# KiCad board Backplane_v2.kicad_pcb (continued)
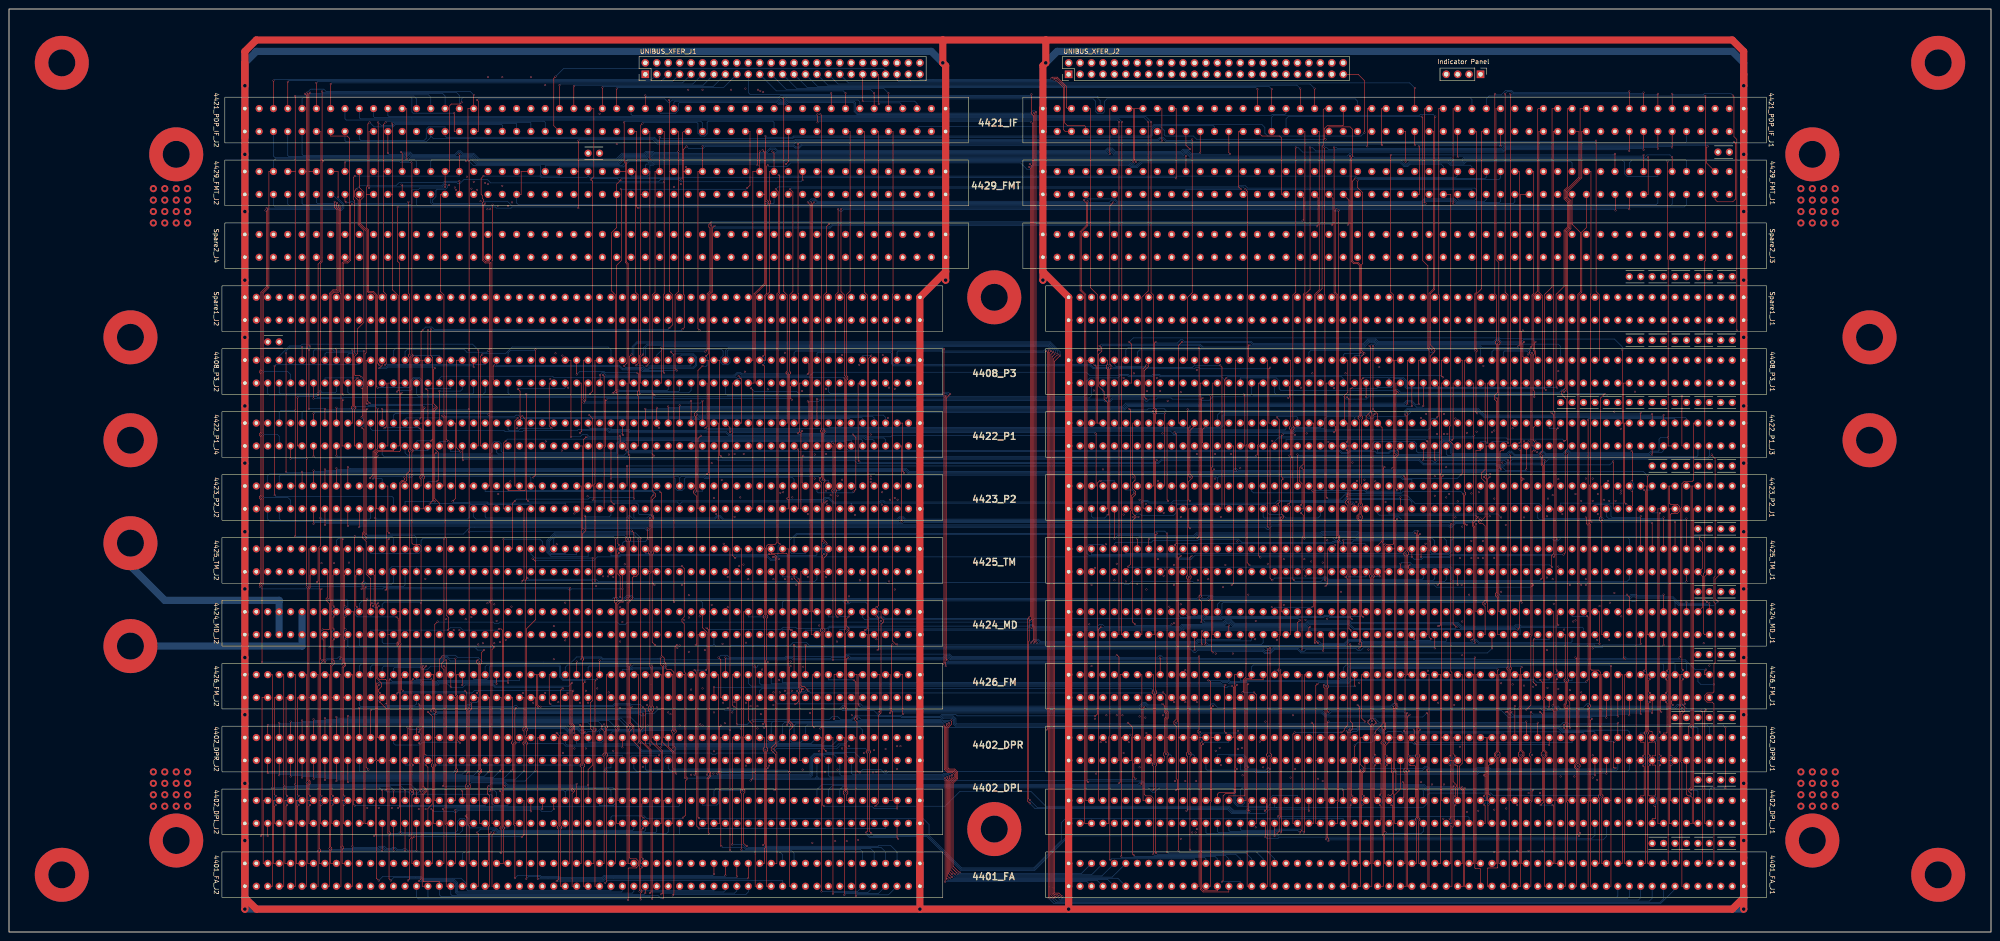
[diagram p0: board, top side]
## Routing (per net, layer and track width the routed paths; a pad name or vN(x,y) marks a point on that pad's centre or on a via; arc(x,y) is an arc through that point) (continued)
  F.SigTop w0.127: v2(227.49,64.26) 227.75,64.52 227.75,181.61 v2(227.49,181.86)
  B.Sig.Top w0.127: v2(227.49,64.26) 228,64.77 228.38,64.77 228.89,64.26 263.56,64.26 263.94,64.64 275.63,64.64 275.88,64.9 4424_MD_J1.88 ; v2(227.49,181.86) 227.24,181.61 188.25,181.61 187.62,182.25 187.62,184.02 187.36,184.28 173.07,184.28 172.57,183.77 170.85,183.77 170.34,184.28 148.88,184.28 148.63,184.02 148.63,182.5 147.99,181.86 144.56,181.86 144.44,181.99 4421_PDP_IF_J2.41
DMA10*: length 259.5
  F.SigTop w0.127: v2(226.86,64.26) 227.49,64.9 227.49,181.23 226.99,181.74 v2(226.99,186.06) ; v2(141.26,185.8) 4421_PDP_IF_J2.43
  B.Sig.Top w0.127: 4424_MD_J1.90 273.34,65.02 273.21,64.9 263.81,64.9 263.43,64.52 229.02,64.52 228.51,65.02 227.62,65.02 v2(226.86,64.26) ; v2(141.26,185.8) 141.51,185.55 171.11,185.55 171.36,185.8 226.73,185.8 v2(226.99,186.06)
DMA11*: length 251.1
  F.SigTop w0.127: v2(179.49,181.61) v2(179.49,179.83) ; v2(270.8,68.07) 4424_MD_J1.92 ; v2(226.99,179.83) 227.24,179.58 227.24,67.82 v2(226.99,67.56)
  B.Sig.Top w0.127: v2(226.99,67.56) 227.24,67.31 260.13,67.31 260.64,67.82 270.55,67.82 v2(270.8,68.07) ; v2(179.49,179.83) 179.74,180.09 226.73,180.09 v2(226.99,179.83) ; v2(179.49,181.61) 179.23,181.36 138.34,181.36 138.08,181.61 138.08,182.88
DMA12*: length 287.2
  F.SigTop w0.127: v2(253.53,179.96) 253.53,141.99 254.04,141.48 254.04,116.33 254.54,115.82 254.54,115.32 254.29,115.06 254.29,66.04 4424_MD_J1.106
  B.Sig.Top w0.127: 4421_PDP_IF_J2.79 84.11,181.36 84.36,181.1 252.38,181.1 v2(253.53,179.96)
DMA13*: length 289.7
  F.SigTop w0.127: 4424_MD_J1.108 251.5,66.04 251.5,140.97 252.89,142.37 v2(252.89,179.96)
  B.Sig.Top w0.127: 4421_PDP_IF_J2.81 80.94,181.1 81.19,180.85 252,180.85 v2(252.89,179.96)
DMA14*: length 286.7
  F.SigTop w0.127: v2(247.05,179.96) 247.05,141.61 246.92,141.48 246.92,66.04 4424_MD_J1.110
  B.Sig.Top w0.127: 4421_PDP_IF_J2.83 77.76,180.85 78.01,180.59 246.42,180.59 v2(247.05,179.96)
DMA15*: length 289.3
  F.SigTop w0.127: v2(246.42,179.96) 246.42,66.04 4424_MD_J1.112
  B.Sig.Top w0.127: 4421_PDP_IF_J2.85 74.59,180.59 74.84,180.34 246.04,180.34 v2(246.42,179.96)
DMAIND: length 158.8
  B.Sig.In w0.127: 4421_PDP_IF_J2.18 182.54,176.78 319.06,176.78 319.82,177.55 319.82,188.09 318.81,189.1 318.17,189.1 317.79,189.48 317.79,191.39 318.17,191.77 321.35,191.77 321.6,191.52 J39.3
DP2A1: length 220.8
  F.SigTop w0.127: 4402_DPL_J1.59 312.2,29.97 312.2,36.83 312.07,36.96 311.06,36.96 v2(310.93,37.08) ; v2(230.29,44.83) 230.54,45.09 230.54,128.78 v2(230.29,129.03) ; v2(311.95,44.96) 311.95,43.69 4402_DPR_J1.59 310.68,42.42 310.68,39.37 v2(310.93,39.12)
  B.Sig.Top w0.127: v2(310.93,37.08) 310.42,37.59 310.42,38.61 v2(310.93,39.12) ; 4408_P3_J2.5 197.14,128.78 197.39,129.03 207.05,129.03 207.3,128.78 230.03,128.78 v2(230.29,129.03) ; v2(311.95,44.96) 311.69,45.21 305.73,45.21 305.09,44.58 304.58,44.58 303.95,45.21 299.5,45.21 299.25,44.96 298.11,44.96 297.85,44.7 297.6,44.7 297.09,45.21 230.67,45.21 v2(230.29,44.83)
DP2A2E: length 169.6
  F.SigTop w0.127: v2(309.41,33.27) 309.66,33.02 309.66,29.97 4402_DPL_J1.61 ; v2(239.56,33.27) 239.3,33.53 239.3,127 4408_P3_J1.115
  B.Sig.Top w0.127: v2(309.41,33.27) 309.15,33.02 252.13,33.02 251.62,33.53 239.81,33.53 v2(239.56,33.27)
DP2A2M: length 211.9
  F.SigTop w0.127: 4402_DPR_J1.63 306.36,42.16 305.6,41.4 305.6,39.37 v2(305.85,39.12) ; v2(305.85,37.08) 305.6,36.83 305.6,29.97 4402_DPL_J1.63
  F.Sig.In w0.127: v2(197.9,41.27) 198.16,41.53 198.16,48.01 197.9,48.26 197.9,48.51 198.16,48.77 198.16,90.42 197.65,90.93 197.65,91.31 198.16,91.82 198.16,121.92 4408_P3_J2.6
  B.Sig.In w0.127: v2(197.9,41.27) 198.16,41.53 241.21,41.53 241.46,41.27 264.58,41.27 264.83,41.02 268.01,41.02 268.89,40.13 294.8,40.13 295.18,39.75 295.18,37.34 295.69,36.83 301.41,36.83 301.66,36.58 305.34,36.58 v2(305.85,37.08)
  B.Sig.Top w0.127: 4402_DPR_J1.63 4402_DPR_J1.61 ; v2(305.85,39.12) 305.34,38.61 305.34,37.59 v2(305.85,37.08)
DP2DP: length 143.4
  F.SigTop w0.127: v2(245.4,87.38) 4423_P2_J1.112 ; v2(312.71,25.02) v2(312.71,39.12) v2(312.71,89.03)
  B.Sig.Top w0.127: v2(312.71,89.03) 312.58,89.15 312.07,89.15 311.57,88.65 299.76,88.65 299.5,88.9 291.37,88.9 291.12,88.65 263.56,88.65 262.93,88.01 246.04,88.01 v2(245.4,87.38) ; v2(312.71,39.12) 311.44,39.12 4402_DPR_J1.60 ; v2(312.71,25.02) 311.44,25.02 4402_DPL_J1.60
DP2M1: length 242.7
  F.SigTop w0.127: v2(306.87,28.19) 307,28.19 307.12,28.07 307.12,24.89 4402_DPL_J1.64 ; v2(306.23,30.35) 306.74,30.35 307.12,30.73 307.12,35.31 306.87,35.56 306.87,37.59 4402_DPR_J1.64
  F.Sig.In w0.127: v2(305.6,95.5) 305.34,95.25 305.34,86.87 305.85,86.36 305.85,86.11 305.34,85.6 305.34,42.42 305.6,42.16 305.6,41.91 305.34,41.66 305.34,38.1 4402_DPR_J1.64
  B.Sig.In w0.127: 4423_P2_J2.50 141.26,95.12 141.64,95.5 180.63,95.5 181.39,96.27 181.9,96.27 182.28,95.88 189.14,95.88 190.15,96.9 296.07,96.9 296.71,96.27 304.84,96.27 v2(305.6,95.5)
  B.Sig.Top w0.127: v2(306.87,28.19) 307.38,28.7 307.38,29.72 306.74,30.35 v2(306.23,30.35)
DP2M2: length 243.6
  F.SigTop w0.127: v2(308.14,91.69) 307.88,91.44 307.88,50.93 308.14,50.67 308.14,49.78 307.88,49.53 307.88,38.1 4402_DPR_J1.62 308.9,31.75 307.63,30.48 307.63,24.13 4402_DPL_J1.62
  B.Sig.Top w0.127: v2(308.14,91.69) 307.88,91.44 198.92,91.44 198.41,91.95 197.77,91.95 197.27,91.44 158.53,91.44 157.77,92.2 157.26,92.2 156.75,91.69 143.17,91.69 142.4,92.46 142.15,92.46 141.64,91.95 138.85,91.95 138.72,92.08 4423_P2_J2.52
DPA2PNL*: length 261.2
  F.SigTop w0.127: 4423_P2_J1.22 360.46,94.74 360.46,97.79 v2(360.21,98.04) ; v2(360.21,100.08) 360.46,100.33 360.46,106.55 v2(360.21,106.81) ; 4408_P3_J2.54 137.2,121.92 137.2,107.31 v2(136.94,107.06)
  B.Sig.Top w0.127: v2(360.21,106.81) 359.97,106.56 346.63,106.56 346.13,107.06 345.73,107.06 344.97,106.3 341.16,106.3 340.65,106.81 340.14,106.81 339.38,106.04 334.3,106.04 333.54,106.81 333.03,106.81 332.52,106.3 320.46,106.3 320.33,106.43 320.33,108.58 319.69,109.22 318.43,109.22 317.79,108.58 317.79,106.17 317.66,106.04 308.52,106.04 307.88,106.68 306.74,106.68 306.36,106.3 303.69,106.3 303.31,106.68 297.72,106.68 297.34,106.3 295.82,106.3 295.44,106.68 137.07,106.68 136.94,106.81 v2(136.94,107.06) ; v2(360.21,100.08) 360.72,99.57 360.72,98.55 v2(360.21,98.04)
DPALD*: length 211.3
  F.Sig.In w0.127: v2(155.99,104.14) 155.74,104.39 155.74,107.19 4422_P1_J4.38
  B.Sig.In w0.127: v2(155.99,104.14) 156.37,103.76 281.98,103.76 283.25,102.49 329.35,102.49 330.11,101.73 359.19,101.73 359.7,101.22 4423_P2_J1.21
DPEBS02*: length 281.9
  F.SigTop w0.127: 307.63,85.09 307.63,105.79 v2(307.88,106.04) 307.63,106.3 307.63,127 4408_P3_J1.61 ; 307.63,85.09 4425_TM_J1.63 ; 307.63,85.09 307.63,50.8 307.88,50.55 307.88,49.91 307.63,49.66 307.63,36.19 307.88,35.94 v2(307.88,31.5) ; v2(368.21,171.07) 368.21,149.48 368.34,149.35 v2(368.34,109.86) 368.34,107.95 4422_P1_J3.14 ; v2(286.04,106.04) 4423_P2_J1.79
  B.Sig.Top w0.127: v2(286.04,106.04) 286.29,105.79 307.63,105.79 v2(307.88,106.04) 308.14,105.79 317.79,105.79 318.04,106.04 318.04,108.46 318.55,108.97 319.57,108.97 320.08,108.46 320.08,106.3 320.33,106.04 332.65,106.04 333.16,106.55 333.41,106.55 334.17,105.79 339.51,105.79 340.27,106.55 340.52,106.55 341.03,106.04 345.1,106.04 345.86,106.81 346.03,106.81 346.54,106.3 364.02,106.3 364.53,106.81 366.18,106.81 366.3,106.93 366.3,109.47 366.68,109.86 v2(368.34,109.86) ; v2(368.21,171.07) 367.96,171.32 360.21,171.32 359.7,170.81 4429_FMT_J1.17 ; 4402_DPL_J1.57 313.98,31.37 313.6,31.75 308.01,31.75 307.88,31.62 v2(307.88,31.5)
DPEBS03*: length 285.8
  F.SigTop w0.127: 305.34,80.01 305.34,85.6 305.85,86.11 307.25,86.11 307.38,86.23 307.38,102.74 v2(307.12,103) 307.38,103.25 307.38,127 ; 305.34,80.01 305.34,46.61 305.6,46.36 305.6,45.09 305.34,44.83 305.34,42.42 305.6,42.16 305.6,41.91 305.34,41.66 305.34,22.35 v2(305.6,22.1) ; 305.34,80.01 4425_TM_J1.64 ; 4429_FMT_J1.19 v2(356.52,172.85) ; 307.38,127 307.38,141.48 306.74,142.11 v2(306.74,172.59) ; 307.38,127 4408_P3_J1.63 ; v2(336.84,102.74) 4422_P1_J3.40 ; 4423_P2_J1.80 287.31,93.98 287.31,102.74 v2(287.06,103)
  B.Sig.Top w0.127: v2(356.52,172.85) 356.27,172.59 v2(306.74,172.59) ; 4402_DPL_J1.58 313.98,22.35 313.47,21.84 305.85,21.84 v2(305.6,22.1) ; v2(336.84,102.74) 336.59,102.49 332.27,102.49 331.51,103.25 331,103.25 330.49,102.74 307.38,102.74 v2(307.12,103) 306.87,102.74 287.31,102.74 v2(287.06,103)
DPEBS04*: length 285.8
  F.SigTop w0.127: 4429_FMT_J1.31 338.49,168.91 338.49,141.86 338.11,141.48 338.11,130.18 v2(337.86,129.92) ; 4425_TM_J1.65 303.82,85.85 304.84,86.87 304.84,112.01 4422_P1_J3.65 303.82,115.06 v2(302.8,116.08) 302.8,127 ; 261.66,99.06 v2(261.66,116.08) ; 261.66,99.06 261.66,79.25 261.4,78.99 261.4,78.61 261.66,78.36 261.66,40 261.4,39.75 261.4,39.24 261.66,38.99 261.66,27.18 v2(261.4,26.92) ; 261.66,99.06 4423_P2_J1.99 ; v2(288.58,26.92) 4402_DPL_J1.77 ; 302.8,127 v2(302.8,130.18) ; 302.8,127 4408_P3_J1.65
  B.Sig.Top w0.127: v2(288.58,26.92) 288.58,27.18 288.45,27.3 279.82,27.3 278.8,26.29 271.44,26.29 270.55,27.18 261.66,27.18 v2(261.4,26.92) ; v2(302.8,116.08) 302.55,115.82 261.91,115.82 v2(261.66,116.08) ; v2(302.8,130.18) 303.06,129.92 326.55,129.92 326.93,129.54 337.48,129.54 v2(337.86,129.92)
DPEBS05*: length 280.6
  F.SigTop w0.127: 302.3,115.57 301.28,114.55 4422_P1_J3.67 ; 302.3,115.57 302.55,115.32 v2(302.55,79.12) v2(302.55,46.86) ; 302.3,115.57 302.3,127 ; 302.3,127 4408_P3_J1.67 ; 302.3,127 302.3,129.92 v2(302.04,130.18) ; v2(335.06,130.05) 335.32,130.3 335.32,168.91 4429_FMT_J1.33 ; v2(304.33,78.99) 304.33,79.12 303.82,79.63 4425_TM_J1.66 ; 4423_P2_J1.100 259.37,93.98 259.37,46.74 v2(259.12,46.48) ; 4402_DPL_J1.78 289.6,24.13 289.6,46.1 v2(289.21,46.48)
  B.Sig.Top w0.127: v2(304.33,78.99) 302.68,78.99 v2(302.55,79.12) ; v2(302.55,46.86) 301.92,46.23 289.47,46.23 v2(289.21,46.48) 288.96,46.23 259.37,46.23 v2(259.12,46.48) ; v2(302.04,130.18) 302.43,130.57 303.05,130.57 303.44,130.18 326.68,130.18 327.06,129.79 334.81,129.79 v2(335.06,130.05)
DPEBS06*: length 294.6
  F.SigTop w0.127: 259.12,99.06 259.12,110.62 v2(258.74,111) ; 259.12,99.06 4423_P2_J1.101 ; 259.12,99.06 259.12,86.23 v2(258.86,85.98) 259.12,85.73 259.12,47.24 258.61,46.74 258.61,46.23 259.12,45.72 259.12,34.04 259.37,33.78 259.37,31.75 v2(259.12,31.5) ; v2(299.38,166.88) 299.38,165.35 300.52,164.21 300.52,148.46 300.26,148.21 300.26,129.16 v2(300.9,128.52) 300.01,127.63 v2(300.01,114.3)
  B.Sig.Top w0.127: v2(259.12,31.5) 259.37,31.75 271.69,31.75 271.94,31.5 271.94,28.7 272.7,27.94 279.56,27.94 279.94,28.32 279.94,29.72 280.58,30.35 286.04,30.35 4402_DPL_J1.79 ; 298.74,114.3 298.49,114.55 292.64,114.55 292.14,114.05 292.14,112.01 291.88,111.76 285.4,111.76 284.9,111.25 258.99,111.25 v2(258.74,111) ; 298.74,114.3 4422_P1_J3.69 ; 298.74,114.3 298.99,114.55 299.76,114.55 v2(300.01,114.3) ; 4408_P3_J1.69 298.74,128.02 300.39,128.02 v2(300.9,128.52) ; 4425_TM_J1.67 301.28,85.98 301.03,86.23 295.56,86.23 295.31,86.49 294.17,86.49 293.91,86.23 259.12,86.23 v2(258.86,85.98) ; v2(299.38,166.88) 299.63,167.13 330.74,167.13 331.12,167.51 4429_FMT_J1.35
DPEBS07*: length 242.4
  F.SigTop w0.127: v2(295.69,44.32) 295.95,44.32 296.45,44.83 296.45,45.21 297.22,45.97 297.22,78.36 v2(296.71,78.87) 297.22,79.38 297.22,94.74 296.71,95.25 296.71,95.63 297.22,96.14 297.22,96.65 ; 297.22,96.65 v2(296.96,96.9) 296.96,97.03 297.22,97.28 ; 297.22,96.65 297.22,97.28 ; v2(296.96,108.84) 297.22,109.09 297.22,113.03 4422_P1_J3.71 296.45,113.28 296.45,119.13 297.22,119.89 297.22,127 4408_P3_J1.71 ; 4402_DPL_J1.80 285.02,24.13 285.02,43.94 v2(285.4,44.32) ; v2(298.87,167.39) 298.23,166.75 298.23,149.1 298.61,148.72 299.5,148.72 300.01,148.21 300.01,128.78 v2(300.26,128.52) ; 297.22,97.28 297.22,106.81 v2(296.96,107.06)
  B.Sig.Top w0.127: v2(298.87,167.39) 327.7,167.39 327.95,167.64 4429_FMT_J1.37 ; v2(296.96,96.9) 296.96,96.65 296.2,95.88 281.72,95.88 281.09,95.25 258.35,95.25 258.1,95 4423_P2_J1.102 ; v2(296.71,78.87) 301.15,78.87 301.28,78.99 4425_TM_J1.68 ; 4408_P3_J1.71 296.2,128.14 296.58,128.52 v2(300.26,128.52) ; v2(296.96,108.84) 297.22,108.58 297.22,107.31 v2(296.96,107.06) ; v2(285.4,44.32) v2(295.69,44.32)
DPEBS08*: length 316.3
  F.Sig.In w0.127: 4402_DPL_J2.9 191.04,29.21 191.04,39.62 191.3,39.88 191.3,40.13 191.04,40.39 191.04,99.69 v2(191.3,99.95) ; v2(255.05,100.2) 254.54,100.71 254.54,104.27 254.29,104.52 254.29,107.95 ; 254.29,107.95 4422_P1_J3.104 ; 254.29,107.95 254.29,115.06 254.54,115.32 254.54,122.81 v2(254.8,123.06) ; v2(299.25,100.2) 299.76,99.69 299.76,95.25 299.5,95 299.5,94.62 299.76,94.36 299.76,92.58 299.5,92.33 299.5,91.95 299.76,91.69 299.76,85.09 4425_TM_J1.69 ; 4429_FMT_J1.57 297.72,168.91 297.72,156.97 297.22,156.46 297.22,124.59 v2(296.71,124.08)
  B.Sig.In w0.127: v2(296.71,124.08) 296.2,123.57 289.21,123.57 289.09,123.7 270.17,123.7 269.53,123.06 258.1,123.06 ; 258.1,123.06 4408_P3_J1.102 ; 258.1,123.06 v2(254.8,123.06) ; v2(299.25,100.2) 267.62,100.2 267.37,100.46 255.31,100.46 v2(255.05,100.2) 254.8,100.46 242.99,100.46 242.73,100.71 241.97,100.71 241.59,100.33 197.39,100.33 197.14,100.08 4423_P2_J2.5 197.14,98.04 194.09,98.04 193.58,98.55 193.58,99.82 193.2,100.2 191.55,100.2 v2(191.3,99.95)
DPEBS09*: length 315.2
  F.Sig.In w0.127: 252,107.95 252,95.5 v2(252.38,95.12) ; 252,107.95 4422_P1_J3.106 ; 252,107.95 252,119.51 v2(252.64,120.14) ; v2(298.23,95) 297.72,94.49 297.72,80.01 4425_TM_J1.70 ; 293.02,168.91 294.17,168.91 294.17,160.27 294.68,159.77 294.68,121.28 v2(294.17,120.78) ; v2(193.77,94.93) 193.58,94.74 193.58,69.85 194.09,69.34 194.09,68.83 193.58,68.33 193.58,48.64 193.33,48.39 193.33,24.13 4402_DPL_J2.10 ; v2(255.56,120.14) 4408_P3_J1.104
  B.Sig.In w0.127: v2(252.64,120.14) 252.89,120.4 255.31,120.4 v2(255.56,120.14) 255.81,120.4 293.79,120.4 v2(294.17,120.78) ; v2(298.23,95) 296.96,95 296.07,95.88 281.72,95.88 280.96,95.12 v2(252.38,95.12) 197.14,95.12 ; v2(193.77,94.93) 193.96,95.12 197.14,95.12 ; 197.14,95.12 4423_P2_J2.6
DPEBS10*: length 281
  F.Sig.In w0.127: 4429_FMT_J1.61 288.83,168.91 288.83,149.22 289.6,148.46 289.6,124.33 v2(289.34,124.08) ; 4425_TM_J1.93 267.24,85.09 267.24,100.2 v2(267.75,100.71) ; v2(249.72,124.08) 249.46,123.82 249.46,107.95 ; v2(191.3,100.58) 190.79,100.08 190.79,40.64 190.28,40.13 190.28,39.88 190.54,39.62 190.54,29.21 4402_DPL_J2.11 ; 249.46,107.95 4422_P1_J3.108 ; 249.46,107.95 v2(249.46,100.97)
  B.Sig.In w0.127: v2(289.34,124.08) 253.27,124.08 253.02,123.82 ; v2(249.72,124.08) 252.77,124.08 253.02,123.82 ; 253.02,123.82 4408_P3_J1.106 ; 194.6,100.33 4423_P2_J2.7 ; 194.6,100.33 194.85,100.58 241.46,100.58 241.84,100.97 242.86,100.97 243.11,100.71 249.21,100.71 v2(249.46,100.97) 249.72,100.71 261.02,100.71 261.78,101.47 266.99,101.47 v2(267.75,100.71) ; 194.6,100.33 194.35,100.58 v2(191.3,100.58)
DPEBS11*: length 290.1
  F.Sig.In w0.127: 246.92,107.95 246.92,93.22 v2(247.43,92.71) ; 246.92,107.95 246.92,122.56 v2(247.43,123.06) ; 246.92,107.95 4422_P1_J3.110 ; 4402_DPL_J2.12 188.5,24.13 188.5,35.18 188.25,35.43 188.25,46.48 188.76,46.99 188.76,47.5 188.5,47.75 188.5,49.78 188.25,50.04 188.25,92.2 v2(187.81,92.65) ; 4425_TM_J1.94 269.28,80.01 269.28,91.95 v2(269.02,92.2) ; 4429_FMT_J1.63 287.69,168.91 287.69,149.35 287.06,148.72 287.06,121.16 v2(286.8,120.9)
  B.Sig.In w0.127: 194.6,92.71 187.87,92.71 v2(187.81,92.65) ; 194.6,92.71 243.24,92.71 243.62,93.09 244.76,93.09 245.15,92.71 v2(247.43,92.71) 247.69,92.96 250.99,92.96 251.24,92.71 255.69,92.71 255.94,92.46 259.37,92.46 259.62,92.71 260.26,92.71 260.51,92.46 268.77,92.46 v2(269.02,92.2) ; 194.6,92.71 4423_P2_J2.8 ; v2(247.43,123.06) 250.48,123.06 4408_P3_J1.108 250.48,120.65 286.55,120.65 v2(286.8,120.9)
DPMBS00*: length 327.2
  F.Sig.In w0.127: v2(272.83,44.7) 272.32,45.21 272.32,53.98 273.09,54.74 273.09,55.12 272.32,55.88 272.32,77.22 272.07,77.47 272.07,86.11 v2(272.7,86.74) 272.07,87.38 272.07,101.35 272.83,102.11 272.83,102.62 272.32,103.12 272.32,167.26 4429_FMT_J1.71 ; 170.22,113.03 170.22,127 4408_P3_J2.25 ; 170.22,113.03 170.22,99.06 ; 170.22,113.03 4422_P1_J4.27 ; 170.22,99.06 4423_P2_J2.27 ; 170.22,99.06 170.22,83.57 v2(170.98,82.8)
  B.Sig.In w0.127: 4425_TM_J1.95 265.72,85.85 266.36,86.49 ; 266.36,86.49 272.45,86.49 v2(272.7,86.74) ; 266.36,86.49 256.96,86.49 256.58,86.11 256.58,84.33 255.69,83.44 171.61,83.44 v2(170.98,82.8) ; 4402_DPR_J1.55 316.52,44.45 311.31,44.45 310.55,45.21 309.28,45.21 308.77,44.7 304.07,44.7 303.82,44.96 302.93,44.96 302.68,44.7 297.6,44.7 297.22,45.09 284.9,45.09 284.26,44.45 273.09,44.45 v2(272.83,44.7)
DPMBS01*: length 379.9
  F.Sig.In w0.127: v2(168.69,36.96) 168.18,37.47 168.18,39.88 168.44,40.13 168.44,40.77 168.18,41.02 168.18,59.44 167.93,59.69 167.93,60.2 168.18,60.45 168.18,69.6 168.44,69.85 168.44,70.23 168.18,70.49 168.18,93.98 ; 168.18,93.98 168.18,107.95 ; 168.18,93.98 4423_P2_J2.28 ; v2(269.02,37.08) 269.53,37.59 269.53,55.12 269.78,55.37 269.78,76.2 270.04,76.45 270.04,77.22 269.78,77.47 269.78,81.28 v2(270.04,81.53) 269.78,81.79 269.78,167.89 4429_FMT_J1.73 ; 168.18,107.95 4422_P1_J4.28 ; 168.18,107.95 168.18,120.27 v2(168.44,120.52)
  B.Sig.In w0.127: v2(270.04,81.53) 266.23,81.53 265.72,81.03 4425_TM_J1.96 ; 4408_P3_J2.26 171.74,120.52 v2(168.44,120.52) ; v2(168.69,36.96) 168.82,37.08 253.78,37.08 254.04,36.83 254.54,36.83 254.8,37.08 v2(269.02,37.08) 274.48,37.08 274.74,37.34 275.25,37.34 275.5,37.08 285.53,37.08 286.04,36.58 300.9,36.58 301.15,36.32 305.47,36.32 305.73,36.58 316.27,36.58 316.52,36.83 4402_DPR_J1.56
DPMBS02*: length 374.2
  F.Sig.In w0.127: v2(267.75,106.17) 267.24,106.68 267.24,118.62 267.5,118.87 267.5,119.63 266.99,120.14 266.99,148.72 266.36,149.35 266.36,167.64 4429_FMT_J1.75 ; 264.45,85.09 264.45,87.5 264.2,87.76 264.2,105.66 v2(263.69,106.17) ; 264.45,85.09 4425_TM_J1.97 ; 264.45,85.09 264.45,75.18 265.21,74.42 265.21,73.98 264.7,73.47 264.7,69.6 265.21,69.09 265.21,68.33 264.2,67.31 264.2,66.93 264.45,66.67 264.45,64.13 264.32,64.01 264.32,63.63 264.96,62.99 264.96,60.83 264.45,60.33 v2(264.45,44.45) ; 165.14,99.06 165.14,58.8 165.64,58.29 165.64,51.31 166.66,50.29 166.66,49.91 165.9,49.15 165.9,45.47 v2(166.15,45.21) ; 165.14,99.06 165.14,113.03 4422_P1_J4.29 167.68,113.03 167.68,125.6 167.93,125.86 167.93,127 4408_P3_J2.27 ; 165.14,99.06 4423_P2_J2.29
  B.Sig.In w0.127: v2(263.69,106.17) v2(267.75,106.17) ; 4402_DPR_J1.57 313.98,41.78 313.73,41.53 304.84,41.53 304.45,41.91 297.72,41.91 297.22,42.42 297.22,43.69 296.07,44.83 285.02,44.83 284.39,44.2 272.32,44.2 271.82,44.7 270.04,44.7 269.91,44.58 264.58,44.58 v2(264.45,44.45) 264.32,44.58 253.27,44.58 253.02,44.83 230.92,44.83 230.41,44.32 204.63,44.32 204.25,44.7 166.66,44.7 v2(166.15,45.21)
DPMBS03*: length 351.3
  F.Sig.In w0.127: 167.68,93.98 167.68,70.49 167.42,70.23 167.42,69.85 167.68,69.6 167.68,58.8 v2(167.17,58.29) ; 167.68,93.98 167.68,107.95 ; 167.68,93.98 4423_P2_J2.30 ; 261.66,80.01 4425_TM_J1.98 ; 261.66,80.01 261.66,79.25 261.4,78.99 261.4,78.61 261.66,78.36 261.66,58.67 v2(261.15,58.17) ; 261.66,80.01 261.66,112.52 262.16,113.03 262.16,141.48 263.43,142.75 263.43,167.89 4429_FMT_J1.77 ; 167.68,107.95 4422_P1_J4.30 ; 167.68,107.95 167.68,112.65 167.93,112.9 167.93,121.16 168.69,121.92 4408_P3_J2.28 ; 4402_DPR_J1.58 315.25,38.1 315.25,57.78 v2(315,58.04)
  B.Sig.In w0.127: v2(167.17,58.29) 167.3,58.42 207.17,58.42 207.43,58.17 208.51,58.17 209.01,58.67 239.81,58.67 240.07,58.42 240.83,58.42 241.08,58.67 260.64,58.67 v2(261.15,58.17) 261.66,58.67 314.36,58.67 v2(315,58.04)
DPMBS04*: length 361.2
  F.Sig.In w0.127: 160.56,99.06 160.56,105.66 v2(161.07,106.17) ; 160.56,99.06 4423_P2_J2.33 ; 160.56,99.06 160.56,92.71 v2(161.07,92.2) ; 4425_TM_J1.99 259.88,85.85 259.88,91.95 v2(260.13,92.2) ; 122.46,113.03 4422_P1_J4.63 ; 122.46,113.03 122.46,107.19 v2(122.72,106.93) ; 122.46,113.03 122.46,127.63 v2(122.85,128.02) ; 4429_FMT_J1.87 249.72,168.91 249.97,168.66 249.97,141.99 249.46,141.48 249.46,124.46 249.21,124.21 249.21,101.35 248.96,101.09 248.96,100.46 249.21,100.2 249.21,92.96 249.46,92.71 v2(249.46,92.2) 249.46,43.56 249.21,43.31 249.21,42.8 v2(248.57,42.16)
  B.Sig.In w0.127: 4402_DPR_J1.77 288.58,41.66 288.33,41.4 274.86,41.4 274.36,41.91 265.97,41.91 265.34,41.27 264.96,41.27 264.07,42.16 v2(248.57,42.16) ; v2(161.07,92.2) 161.58,91.69 249.46,91.69 ; 249.46,91.69 v2(249.46,92.2) ; 249.46,91.69 250.86,91.69 251.37,92.2 v2(260.13,92.2) ; v2(161.07,106.17) 160.69,106.55 137.58,106.55 137.2,106.17 123.48,106.17 v2(122.72,106.93) ; 4408_P3_J2.67 118.4,128.02 v2(122.85,128.02)
DPMBS05*: length 362.6
  F.Sig.In w0.127: v2(163.1,106.17) 162.85,105.92 162.85,93.98 ; v2(124.12,120.9) 124.5,120.52 124.5,110.49 124.24,110.24 124.24,109.86 124.5,109.6 124.5,107.95 4422_P1_J4.64 ; v2(163.04,81.6) 162.85,81.79 162.85,93.98 ; v2(247.43,39.75) 247.31,39.75 246.67,40.39 246.67,81.53 246.42,81.79 v2(245.91,81.79) 246.54,81.79 246.67,81.91 246.67,122.68 246.92,122.94 246.92,141.48 247.05,141.61 247.05,168.66 246.8,168.91 4429_FMT_J1.89 ; 162.85,93.98 4423_P2_J2.34
  B.Sig.In w0.127: 4402_DPR_J1.78 288.58,39.12 288.07,39.62 268.64,39.62 268.51,39.75 262.42,39.75 262.16,40 261.66,40 261.4,39.75 257.34,39.75 257.08,40 256.58,40 256.32,39.75 v2(247.43,39.75) ; 245.91,81.66 245.78,81.66 245.53,81.41 163.23,81.41 v2(163.04,81.6) ; 245.91,81.66 v2(245.91,81.79) ; 245.91,81.66 246.29,82.04 248.57,82.04 249.34,81.28 258.23,81.28 258.48,81.03 260.64,81.03 4425_TM_J1.100 ; v2(163.1,106.17) 162.47,106.81 137.45,106.81 137.07,106.43 125,106.43 4422_P1_J4.64 ; 4408_P3_J2.68 118.4,120.9 v2(124.12,120.9)
DPMBS06*: length 361.9
  F.Sig.In w0.127: v2(243.62,48.13) 243.88,48.39 243.88,85.73 v2(243.5,86.11) 243.88,86.49 243.88,91.31 243.37,91.82 243.37,92.84 244.13,93.6 244.13,118.75 243.88,119 243.88,124.97 243.62,125.22 243.62,125.86 243.88,126.11 243.88,141.48 243.75,141.61 243.75,168.53 243.37,168.91 4429_FMT_J1.91 ; 121.96,113.03 121.96,127.89 v2(121.32,128.52) ; 121.96,113.03 122.21,112.78 122.21,86.74 v2(121.57,86.11) ; 121.96,113.03 4422_P1_J4.65 ; v2(285.02,48.13) 284.77,47.88 284.77,43.18 4402_DPR_J1.79 ; v2(158.66,86.23) 158.66,91.82 158.02,92.46 158.02,99.06 4423_P2_J2.35
  B.Sig.In w0.127: v2(121.57,86.11) 121.96,86.49 135.67,86.49 135.93,86.23 v2(158.66,86.23) 159.42,87 181.65,87 182.54,86.11 186.98,86.11 ; v2(243.5,86.11) 186.98,86.11 ; 186.98,86.11 4425_TM_J2.13 ; v2(121.32,128.52) 116.24,128.52 115.86,128.14 4408_P3_J2.69 ; v2(243.62,48.13) 244.13,47.62 247.31,47.62 247.81,48.13 250.1,48.13 251,47.23 252.63,47.23 253.02,47.62 254.29,47.62 255.31,46.61 256.96,46.61 257.72,47.37 284.26,47.37 v2(285.02,48.13)
DPMBS07*: length 358.6
  F.Sig.In w0.127: 160.06,93.98 4423_P2_J2.36 ; 160.06,93.98 160.06,79.38 v2(159.55,78.87) ; 160.06,93.98 160.06,105.79 v2(159.8,106.04) ; 4422_P1_J4.66 119.92,107.95 119.92,122.56 v2(120.18,122.81) ; 4429_FMT_J1.93 240.32,168.91 240.57,168.66 240.57,142.62 241.34,141.86 241.34,126.24 241.59,125.98 241.59,111 241.72,110.87 241.72,110.49 241.59,110.36 241.59,81.41 v2(241.08,80.9) 241.59,80.39 241.59,35.43 v2(241.34,35.18) ; v2(285.53,36.19) 285.53,37.59 4402_DPR_J1.80
  B.Sig.In w0.127: 4422_P1_J4.66 120.94,106.43 121.96,105.41 138.08,105.41 138.97,106.3 159.55,106.3 v2(159.8,106.04) ; v2(241.08,80.9) 240.83,81.15 186.98,81.15 ; v2(159.55,78.87) 159.68,78.99 164.75,78.99 165.14,79.38 165.14,80.77 165.52,81.15 186.98,81.15 ; v2(120.18,122.81) 120.05,122.94 115.86,122.94 4408_P3_J2.70 ; 186.98,81.15 4425_TM_J2.14 ; v2(285.53,36.19) 284.9,35.56 241.72,35.56 v2(241.34,35.18)
DPMBS08*: length 274.8
  F.Sig.In w0.127: v2(184.95,40.77) 185.71,41.53 185.71,50.04 185.46,50.29 185.46,85.09 ; 185.46,85.09 4425_TM_J2.15 ; 185.46,85.09 185.46,99.95 v2(184.95,100.46) 185.71,101.22 185.71,122.68 185.85,122.82 185.85,123.31 185.46,123.7 185.46,127.63 v2(184.95,128.14) 185.46,128.65 185.46,141.48 184.69,142.24 184.69,159.77 185.2,160.27 185.2,160.78 184.69,161.29 184.69,168.91 4429_FMT_J2.15 ; v2(192.06,40.39) 4402_DPR_J2.9 ; 4408_P3_J2.71 112.3,127 112.3,112.39 v2(112.81,111.89)
  B.Sig.In w0.127: v2(184.95,100.46) 181.65,100.46 181.14,99.95 180.25,99.95 180,100.2 158.79,100.2 158.53,99.95 157.64,99.95 157.39,100.2 151.42,100.2 4423_P2_J2.41 ; 4422_P1_J4.67 118.4,111.89 v2(112.81,111.89) ; 4408_P3_J2.71 113.32,128.52 113.57,128.78 120.88,128.78 121.13,129.03 140.88,129.03 141.51,128.4 167.68,128.4 167.93,128.14 v2(184.95,128.14) ; v2(192.06,40.39) 191.81,40.64 187.23,40.64 186.98,40.39 185.33,40.39 v2(184.95,40.77)
DPMBS09*: length 323.2
  F.Sig.In w0.127: v2(191.81,35.43) 192.06,35.69 4402_DPR_J2.10 ; v2(181.14,35.56) 180.88,35.81 180.88,66.55 181.14,66.8 181.14,67.18 180.63,67.69 180.63,78.11 v2(181.39,78.87) 180.63,79.63 180.63,82.93 180.25,83.31 180.25,84.07 180.63,84.46 180.63,85.85 180.38,86.11 180.38,86.74 180.88,87.25 180.88,94.49 v2(181.52,95.12) 180.88,95.76 180.88,99.82 181.14,100.08 181.14,100.46 180.88,100.71 180.88,105.66 v2(181.39,106.17) 180.88,106.68 180.88,110.87 181.14,111.12 181.14,111.38 180.88,111.63 180.88,120.14 v2(181.39,120.65) 180.88,121.16 180.88,141.48 181.52,142.11 181.52,168.91 4429_FMT_J2.17
  B.Sig.In w0.127: 4423_P2_J2.42 151.42,95.12 v2(181.52,95.12) ; v2(191.81,35.43) 191.3,34.92 188.38,34.92 188,35.31 183.55,35.31 183.3,35.56 v2(181.14,35.56) ; 4422_P1_J4.68 118.4,106.04 119.29,105.16 162.72,105.16 164.12,106.55 181.01,106.55 v2(181.39,106.17) ; 4425_TM_J2.16 184.44,78.87 v2(181.39,78.87) ; 4408_P3_J2.72 113.32,120.78 113.7,120.4 135.42,120.4 135.8,120.01 171.74,120.01 172.38,120.65 v2(181.39,120.65)
